# Altium PCB m-BLANC.PcbDoc (part 3 of 15) (continued)
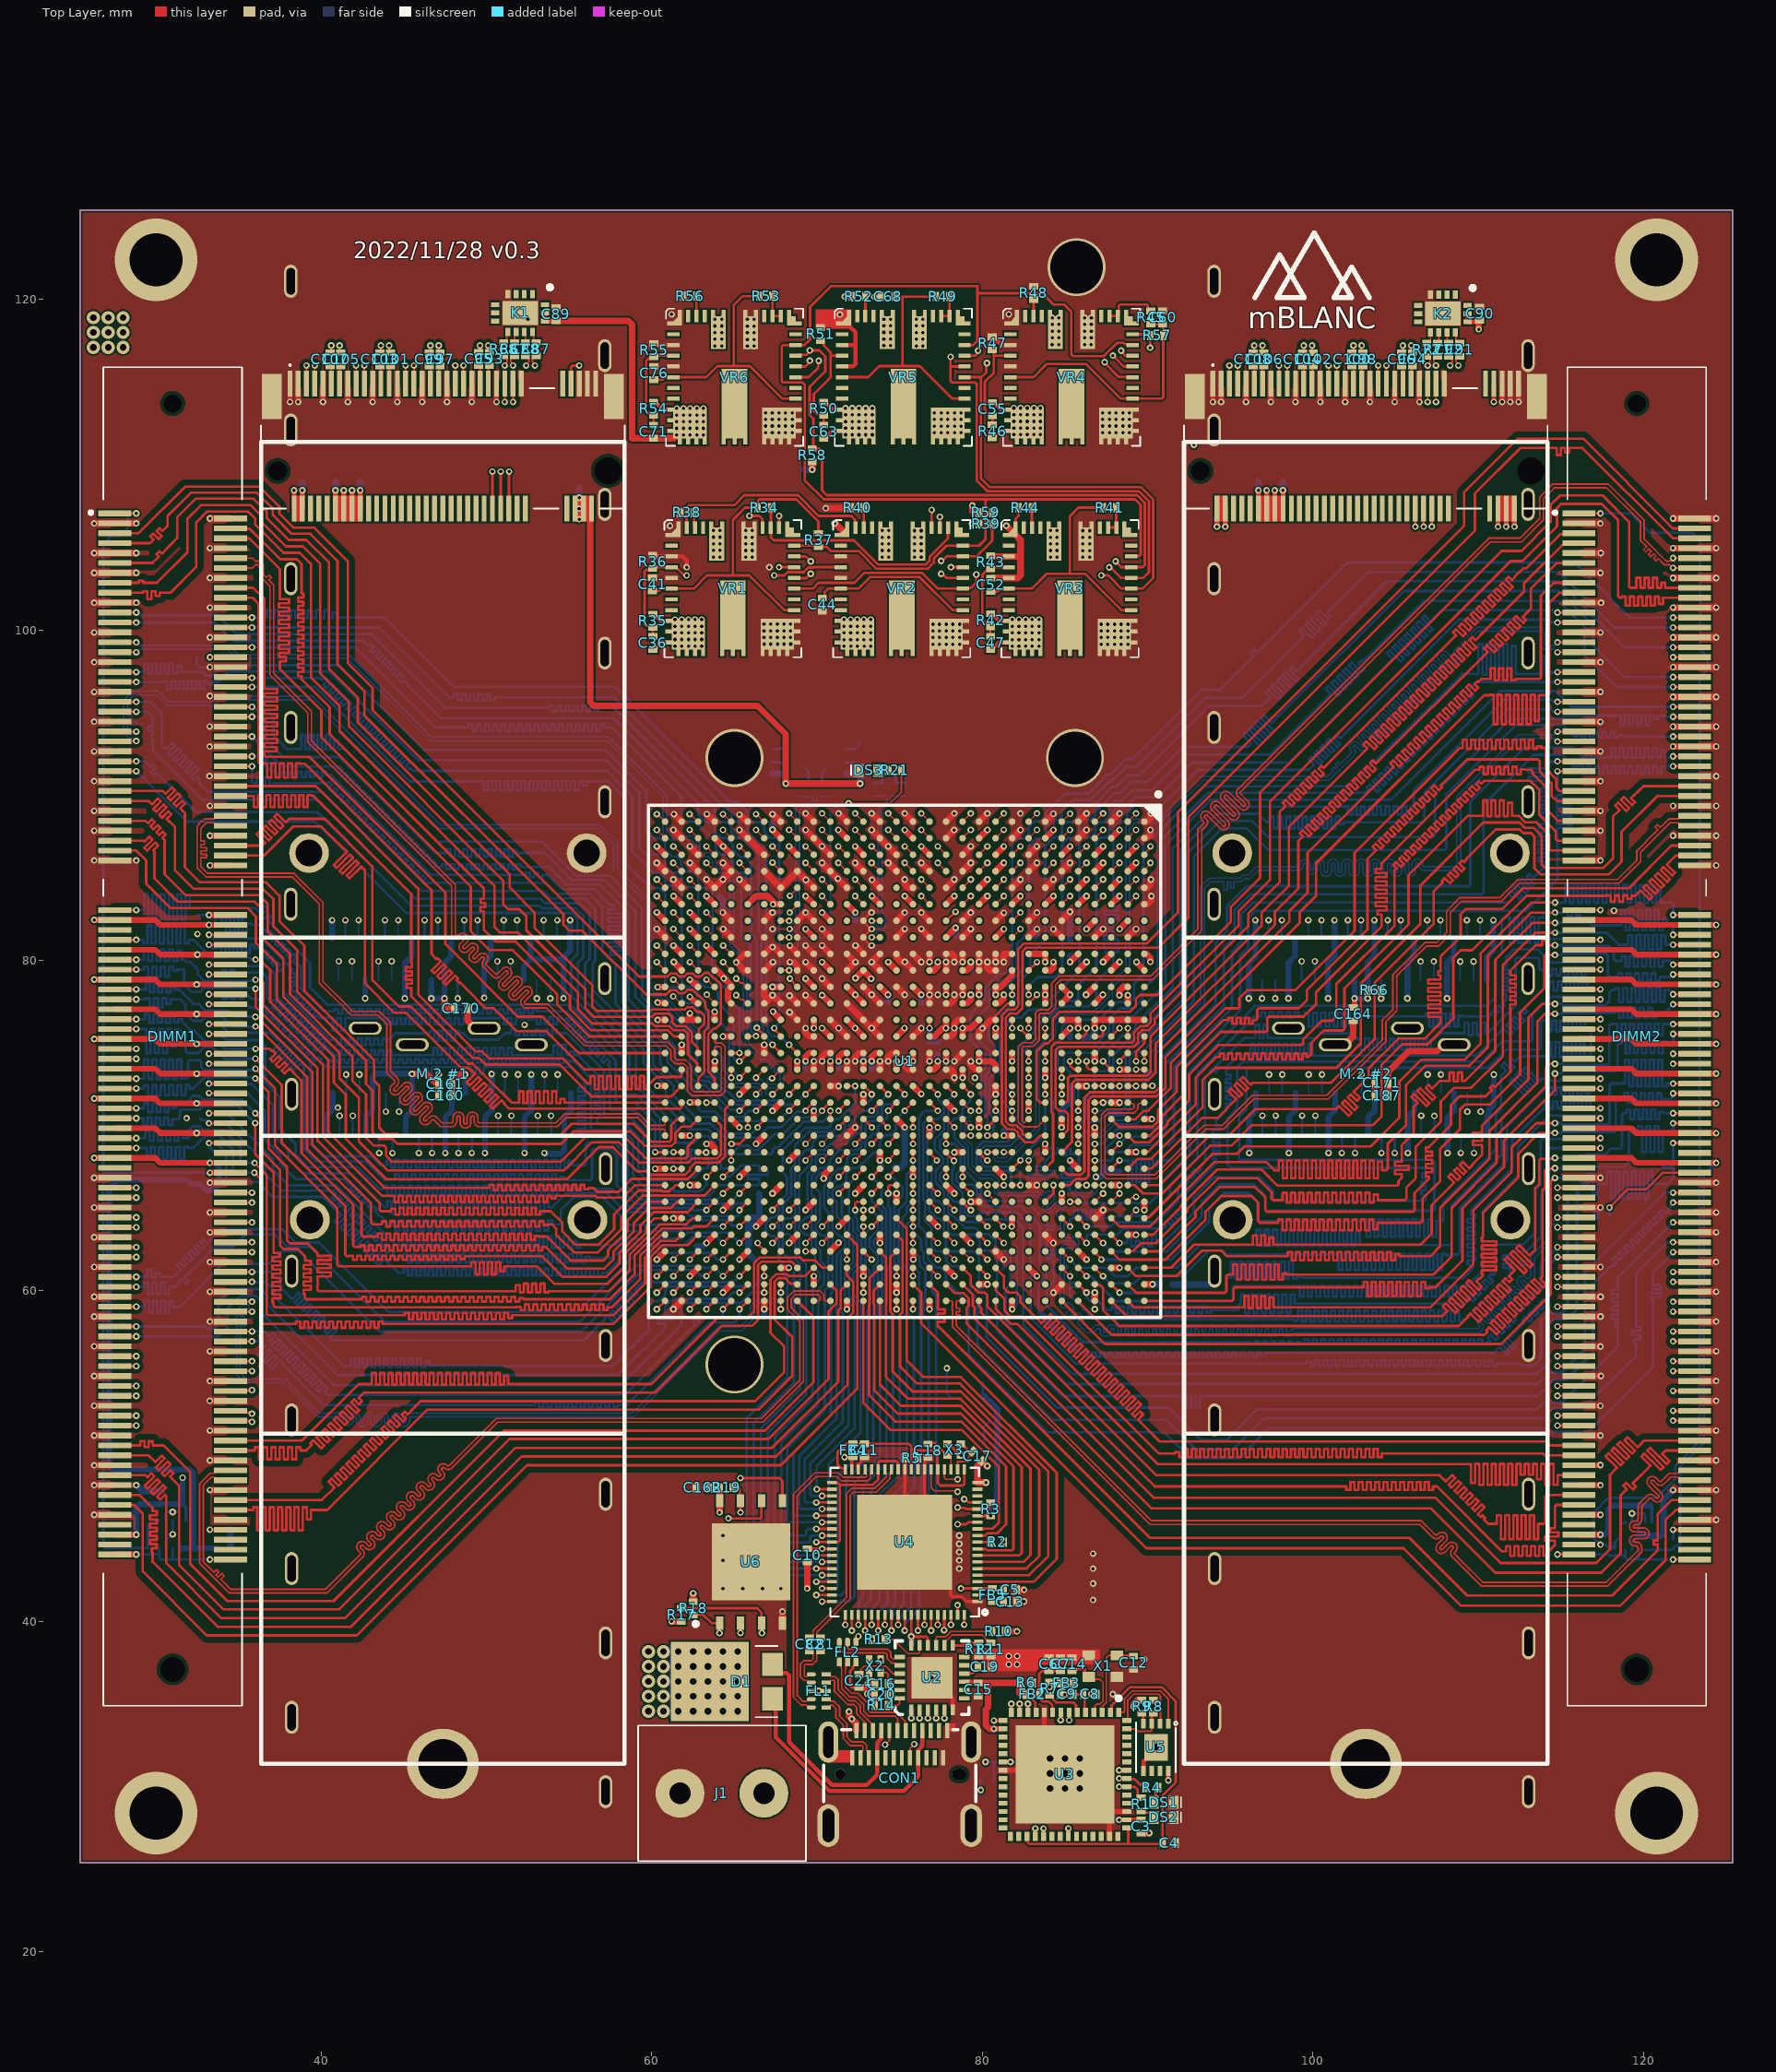
[diagram p0: Top Layer view]
## Nets (pads, with @x,y where several pads share a name; then routed paths per layer and width w, separated by ;. In a path a pad name is that pad's centre, name@x,y a point inside that pad or via, vN(x,y) a via of type N, cw(c..) or ccw(c..) an arc to the next point about the centre after c; other vN are vias at no path point) (continued)
  Bottom Layer w0.15: v1(28.8,76.45) 29.271,76.45 29.346,76.45 29.346,76.767 29.596,76.767 29.596,76.226 29.846,76.226 29.846,76.767 30.096,76.767 30.096,76.226 30.346,76.226 30.346,76.767 30.596,76.767 30.596,76.226 30.846,76.226 30.846,76.767 31.096,76.767 31.096,76.257 31.346,76.257 31.346,76.45 31.498,76.45 31.591,76.45 31.591,76.277 32.085,75.783 32.258,75.783 32.926,75.115 33.693,75.115 34.155,74.654 v1(36.017,74.654)
DRAM1_A4: DIMM1.92 U1.AF23 | length 65.6
  Top Layer w0.15: v1(33.2,77.35) DIMM1.92@34.5,77.35 ; v1(64.3,65.9) U1.AF23@64.8,66.4
  Bottom Layer w0.15: v1(33.2,77.35) 35.467,77.35 35.656,77.161 36.002,77.161 39.353,73.81 39.353,68.885 40.097,68.142 43.022,68.142 43.557,67.607 43.883,67.607 43.958,67.607 43.958,67.942 44.208,67.942 44.208,67.462 44.458,67.462 44.458,67.942 44.708,67.942 44.708,67.462 44.958,67.462 44.958,67.942 45.208,67.942 45.208,67.462 45.458,67.462 45.458,67.942 45.708,67.942 45.708,67.462 45.958,67.462 45.958,67.942 46.208,67.942 46.208,67.462 46.458,67.462 46.458,67.942 46.708,67.942 46.708,67.462 46.958,67.462 46.958,67.942 47.208,67.942 47.208,67.462 47.458,67.462 47.458,67.942 47.708,67.942 47.708,67.462 47.958,67.462 47.958,67.942 48.208,67.942 48.208,67.462 48.458,67.462 48.458,67.942 48.708,67.942 48.708,67.462 48.958,67.462 48.958,67.942 49.208,67.942 49.208,67.462 49.458,67.462 49.458,67.942 49.708,67.942 49.708,67.462 49.958,67.462 49.958,67.942 50.208,67.942 50.208,67.462 50.458,67.462 50.458,67.942 50.708,67.942 50.708,67.462 50.958,67.462 50.958,67.942 51.208,67.942 51.208,67.462 51.458,67.462 51.458,67.942 51.708,67.942 51.708,67.462 51.958,67.462 51.958,67.942 52.208,67.942 52.208,67.462 52.458,67.462 52.458,67.942 52.708,67.942 52.708,67.462 52.958,67.462 52.958,67.942 53.208,67.942 53.208,67.462 53.458,67.462 53.458,67.942 53.708,67.942 53.708,67.462 53.958,67.462 53.958,67.942 54.208,67.942 54.208,67.462 54.458,67.462 54.458,67.942 54.708,67.942 54.708,67.462 54.958,67.462 54.958,67.864 55.208,67.864 55.208,67.607 55.808,67.607 55.915,67.607 56.003,67.695 56.003,68.882 56.091,68.97 57.732,68.97 58.2,68.502 58.2,66.618 59.293,65.525 63.925,65.525 v1(64.3,65.9)
DRAM1_A5: DIMM1.91 U1.AK24 | length 64.4
  Top Layer w0.15: DIMM1.91@27.5,77.65 v1(28.8,77.65) ; v1(36.017,76.008) 36.08,76.008 39.133,72.955 39.133,68.582 42.423,65.292 42.423,63.379 42.511,63.292 43.338,63.292 43.413,63.292 43.413,63.48 43.663,63.48 43.663,63.08 43.913,63.08 43.913,63.48 44.163,63.48 44.163,63.08 44.413,63.08 44.413,63.48 44.663,63.48 44.663,63.08 44.913,63.08 44.913,63.48 45.163,63.48 45.163,63.08 45.413,63.08 45.413,63.48 45.663,63.48 45.663,63.08 45.913,63.08 45.913,63.48 46.163,63.48 46.163,63.08 46.413,63.08 46.413,63.48 46.663,63.48 46.663,63.08 46.913,63.08 46.913,63.48 47.163,63.48 47.163,63.08 47.413,63.08 47.413,63.48 47.663,63.48 47.663,63.08 47.913,63.08 47.913,63.48 48.163,63.48 48.163,63.08 48.413,63.08 48.413,63.48 48.663,63.48 48.663,63.08 48.913,63.08 48.913,63.48 49.163,63.48 49.163,63.08 49.413,63.08 49.413,63.48 49.663,63.48 49.663,63.08 49.913,63.08 49.913,63.48 50.163,63.48 50.163,63.08 50.413,63.08 50.413,63.48 50.663,63.48 50.663,63.08 50.913,63.08 50.913,63.48 51.163,63.48 51.163,63.08 51.413,63.08 51.413,63.48 51.663,63.48 51.663,63.08 51.913,63.08 51.913,63.48 52.163,63.48 52.163,63.08 52.413,63.08 52.413,63.48 52.663,63.48 52.663,63.08 52.913,63.08 52.913,63.327 53.163,63.327 53.163,63.292 53.58,63.292 53.63,63.292 55.081,61.84 57.062,61.84 57.356,62.135 57.356,62.475 58.547,63.666 58.547,64.285 59.662,65.4 U1.AK24@60.8,65.4
  Bottom Layer w0.15: v1(28.8,77.65) 29.3,77.65 29.375,77.65 29.375,77.717 29.625,77.717 29.625,77.144 29.875,77.144 29.875,77.717 30.125,77.717 30.125,77.144 30.375,77.144 30.375,77.717 30.625,77.717 30.625,77.362 30.875,77.362 30.875,77.65 31.308,77.65 31.461,77.65 31.774,77.338 31.774,76.792 32.216,76.349 32.757,76.349 33.008,76.6 34,76.6 34.592,76.008 v1(36.017,76.008)
DRAM1_A6: DIMM1.90 U1.AF22 | length 65.4
  Top Layer w0.15: v1(33.2,77.95) DIMM1.90@34.5,77.95 ; v1(64.3,66.9) U1.AF22@64.8,67.4
  Bottom Layer w0.15: v1(33.2,77.95) 33.7,77.95 33.775,77.95 33.775,78.01 34.025,78.01 34.025,77.69 34.275,77.69 34.275,78.01 34.525,78.01 34.525,77.69 34.775,77.69 34.775,78.01 35.025,78.01 35.025,77.69 35.275,77.69 35.275,77.95 35.49,77.95 35.575,77.865 35.761,77.679 36.148,77.679 36.169,77.658 36.222,77.605 36.349,77.733 36.526,77.556 36.243,77.273 36.42,77.096 36.601,77.277 36.777,77.1 36.597,76.92 36.774,76.743 36.929,76.898 37.106,76.721 36.95,76.566 37.127,76.389 37.282,76.545 37.459,76.368 37.304,76.213 37.481,76.036 37.636,76.191 37.813,76.014 37.657,75.859 37.834,75.682 37.989,75.837 38.166,75.661 38.011,75.505 38.188,75.329 38.343,75.484 38.52,75.307 38.365,75.152 38.541,74.975 38.696,75.13 38.873,74.954 38.718,74.798 38.895,74.622 39.05,74.777 39.227,74.6 39.072,74.445 39.248,74.268 39.404,74.423 39.58,74.246 39.425,74.091 39.602,73.914 39.857,74.17 40.034,73.993 39.934,73.893 40.28,73.546 40.539,73.546 45.604,73.546 45.929,73.546 45.929,73.132 46.179,73.132 46.179,73.546 46.429,73.546 46.429,73.132 46.679,73.132 46.679,73.546 46.9,73.546 48.763,73.546 49.088,73.546 49.088,73.124 49.338,73.124 49.338,73.546 49.588,73.546 49.588,73.124 49.838,73.124 49.838,73.546 50.1,73.546 55.034,73.546 55.9,72.68 55.9,72.625 55.9,72.55 55.97,72.55 55.97,72.3 55.542,72.3 55.542,72.05 55.97,72.05 55.97,71.8 55.542,71.8 55.542,71.55 55.97,71.55 55.97,71.3 55.542,71.3 55.542,71.05 55.97,71.05 55.97,70.8 55.542,70.8 55.542,70.55 55.97,70.55 55.97,70.3 55.542,70.3 55.542,70.05 55.97,70.05 55.97,69.8 55.542,69.8 55.542,69.55 55.9,69.55 55.9,69.445 55.988,69.357 58,69.357 58.527,68.83 58.527,66.835 59.587,65.775 63.475,65.775 63.763,66.063 63.763,66.315 63.851,66.403 66.412,66.403 66.5,66.491 66.5,66.704 66.5,66.779 65.777,66.779 65.777,67.029 67.027,67.029 67.027,67.279 66.5,67.279 66.5,67.497 66.5,67.512 66.412,67.6 65.4,67.6 64.725,66.925 64.325,66.925 v1(64.3,66.9)
DRAM1_A7: DIMM1.86 U1.AG22 | length 64.7
  Top Layer w0.15: v1(33.2,79.15) DIMM1.86@34.5,79.15 ; v1(63.3,66.9) U1.AG22@63.8,67.4
  Bottom Layer w0.15: v1(33.2,79.15) 33.413,79.15 33.738,79.15 33.738,79.098 33.988,79.098 33.988,79.421 34.238,79.421 34.238,79.098 34.488,79.098 34.488,79.421 34.738,79.421 34.738,79.098 34.988,79.098 34.988,79.15 35.184,79.15 35.25,79.15 35.359,79.259 36.433,79.259 36.7,78.992 36.7,77.75 36.925,77.525 36.978,77.472 37.127,77.621 37.304,77.444 37.02,77.16 37.197,76.984 37.48,77.267 37.657,77.091 37.374,76.807 37.55,76.63 37.834,76.914 38.011,76.737 37.727,76.453 37.904,76.276 38.188,76.56 38.364,76.383 38.081,76.1 38.257,75.923 38.541,76.207 38.718,76.03 38.434,75.746 38.611,75.569 38.895,75.853 39.071,75.676 38.788,75.393 38.965,75.216 39.248,75.5 39.425,75.323 39.141,75.039 39.318,74.862 39.602,75.146 39.779,74.969 39.495,74.685 39.672,74.509 39.955,74.792 40.132,74.616 39.983,74.467 40.175,74.275 40.555,73.895 40.591,73.895 40.666,73.895 40.666,74.014 40.916,74.014 40.916,73.796 41.166,73.796 41.166,74.014 41.416,74.014 41.416,73.796 41.666,73.796 41.666,74.014 41.916,74.014 41.916,73.796 42.166,73.796 42.166,74.014 42.416,74.014 42.416,73.796 42.666,73.796 42.666,74.014 42.916,74.014 42.916,73.796 43.166,73.796 43.166,74.014 43.416,74.014 43.416,73.796 43.666,73.796 43.666,74.014 43.916,74.014 43.916,73.796 44.166,73.796 44.166,74.014 44.416,74.014 44.416,73.796 44.666,73.796 44.666,74.014 44.916,74.014 44.916,73.796 45.166,73.796 45.166,74.014 45.416,74.014 45.416,73.796 45.666,73.796 45.666,74.014 45.916,74.014 45.916,73.796 46.166,73.796 46.166,74.014 46.416,74.014 46.416,73.796 46.666,73.796 46.666,74.014 46.916,74.014 46.916,73.796 47.166,73.796 47.166,74.014 47.416,74.014 47.416,73.796 47.666,73.796 47.666,74.014 47.916,74.014 47.916,73.796 48.166,73.796 48.166,74.014 48.416,74.014 48.416,73.796 48.666,73.796 48.666,74.014 48.916,74.014 48.916,73.796 49.166,73.796 49.166,74.014 49.416,74.014 49.416,73.796 49.666,73.796 49.666,74.014 49.916,74.014 49.916,73.796 50.166,73.796 50.166,74.014 50.416,74.014 50.416,73.796 50.666,73.796 50.666,74.014 50.916,74.014 50.916,73.796 51.166,73.796 51.166,74.014 51.416,74.014 51.416,73.796 51.666,73.796 51.666,74.014 51.916,74.014 51.916,73.796 52.166,73.796 52.166,74.014 52.416,74.014 52.416,73.796 52.666,73.796 52.666,74.014 52.916,74.014 52.916,73.796 53.166,73.796 53.166,74.014 53.416,74.014 53.416,73.796 53.666,73.796 53.666,74.014 53.916,74.014 53.916,73.796 54.166,73.796 54.166,74.014 54.416,74.014 54.416,73.796 54.666,73.796 54.666,74.014 54.916,74.014 54.916,73.895 55.2,73.895 55.285,73.895 56.3,72.88 56.3,69.815 56.388,69.727 58.209,69.727 58.854,69.082 58.854,66.983 59.813,66.025 60,66.025 60.075,66.025 60.075,66.45 60.325,66.45 60.325,66.025 60.575,66.025 60.575,66.45 60.825,66.45 60.825,66.025 61.075,66.025 61.075,66.188 61.325,66.188 61.325,66.025 61.7,66.025 62.925,66.025 63.3,66.4 v1(63.3,66.9)
DRAM1_A8: DIMM1.89 U1.AG23 | length 65.1
  Top Layer w0.15: DIMM1.89@27.5,78.25 v1(28.8,78.25) ; v1@35.999,76.542 36.123,76.542 36.188,76.477 36.195,76.477 39.458,73.213 39.458,68.854 43,65.312 43,64.12 43.088,64.033 43.6,64.033 43.675,64.033 43.675,64.213 43.925,64.213 43.925,63.895 44.175,63.895 44.175,64.213 44.425,64.213 44.425,63.895 44.675,63.895 44.675,64.213 44.925,64.213 44.925,63.895 45.175,63.895 45.175,64.213 45.425,64.213 45.425,63.895 45.675,63.895 45.675,64.213 45.925,64.213 45.925,63.895 46.175,63.895 46.175,64.213 46.425,64.213 46.425,63.895 46.675,63.895 46.675,64.213 46.925,64.213 46.925,63.895 47.175,63.895 47.175,64.213 47.425,64.213 47.425,63.895 47.675,63.895 47.675,64.213 47.925,64.213 47.925,63.895 48.175,63.895 48.175,64.213 48.425,64.213 48.425,63.895 48.675,63.895 48.675,64.213 48.925,64.213 48.925,63.895 49.175,63.895 49.175,64.213 49.425,64.213 49.425,63.895 49.675,63.895 49.675,64.213 49.925,64.213 49.925,63.895 50.175,63.895 50.175,64.213 50.425,64.213 50.425,63.895 50.675,63.895 50.675,64.213 50.925,64.213 50.925,63.895 51.175,63.895 51.175,64.213 51.425,64.213 51.425,63.895 51.675,63.895 51.675,64.213 51.925,64.213 51.925,63.895 52.175,63.895 52.175,64.213 52.425,64.213 52.425,63.895 52.675,63.895 52.675,64.213 52.925,64.213 52.925,63.895 53.175,63.895 53.175,64.213 53.425,64.213 53.425,63.968 53.675,63.968 53.675,64.033 53.88,64.033 53.939,64.033 54.208,63.763 54.208,63.408 55.282,62.334 56.75,62.334 58.159,63.743 58.159,64.478 59.455,65.775 63.175,65.775 U1.AG23@63.8,66.4
  Bottom Layer w0.15: v1(28.8,78.25) 29.3,78.25 29.375,78.25 29.375,78.618 29.625,78.618 29.625,78.066 29.875,78.066 29.875,78.618 30.125,78.618 30.125,78.066 30.375,78.066 30.375,78.618 30.625,78.618 30.625,78.066 30.875,78.066 30.875,78.618 31.125,78.618 31.125,78.25 31.39,78.25 31.427,78.213 32.268,77.372 32.579,77.372 32.977,76.975 34.325,76.975 34.7,76.6 35.997,76.6 v1(36.007,76.59)
DRAM1_A9: DIMM1.85 U1.AJ23 | length 67.1
  Top Layer w0.15: DIMM1.85@27.5,79.45 v1(28.8,79.45) ; v1(36.017,78.29) 36.017,77.212 39.766,73.463 39.766,69.087 43.522,65.331 43.522,64.917 43.61,64.829 43.8,64.829 44.221,64.829 44.221,64.984 44.471,64.984 44.471,64.613 44.721,64.613 44.721,65.038 44.971,65.038 44.971,64.613 45.221,64.613 45.221,65.038 45.471,65.038 45.471,64.613 45.721,64.613 45.721,65.038 45.971,65.038 45.971,64.613 46.221,64.613 46.221,65.038 46.471,65.038 46.471,64.613 46.721,64.613 46.721,65.038 46.971,65.038 46.971,64.613 47.221,64.613 47.221,65.038 47.471,65.038 47.471,64.613 47.721,64.613 47.721,65.038 47.971,65.038 47.971,64.613 48.221,64.613 48.221,65.038 48.471,65.038 48.471,64.613 48.721,64.613 48.721,65.038 48.971,65.038 48.971,64.613 49.221,64.613 49.221,65.038 49.471,65.038 49.471,64.613 49.721,64.613 49.721,65.038 49.971,65.038 49.971,64.613 50.221,64.613 50.221,65.038 50.471,65.038 50.471,64.613 50.721,64.613 50.721,65.038 50.971,65.038 50.971,64.613 51.221,64.613 51.221,65.038 51.471,65.038 51.471,64.613 51.721,64.613 51.721,65.038 51.971,65.038 51.971,64.613 52.221,64.613 52.221,65.038 52.471,65.038 52.471,64.613 52.721,64.613 52.721,65.038 52.971,65.038 52.971,64.613 53.221,64.613 53.221,64.829 53.296,64.829 53.871,64.829 54.58,64.12 54.58,63.6 55.38,62.8 56.774,62.8 57.718,63.744 57.718,64.62 59.182,66.085 60.585,66.085 60.645,66.025 61.045,66.025 61.419,66.399 U1.AJ23@61.8,66.4
  Bottom Layer w0.15: v1(28.8,79.45) 29.2,79.45 29.275,79.45 29.275,79.633 29.525,79.633 29.525,79.021 29.775,79.021 29.775,79.633 30.025,79.633 30.025,79.021 30.275,79.021 30.275,79.633 30.525,79.633 30.525,79.021 30.775,79.021 30.775,79.633 31.025,79.633 31.025,79.382 31.275,79.382 31.275,79.45 31.496,79.45 31.669,79.45 31.7,79.419 31.7,78.529 32.129,78.1 32.673,78.1 32.915,78.342 35.84,78.342 35.845,78.338 35.988,78.338 v1@36.036,78.29
DRAM1_A10: DIMM1.107 U1.AK25 | length 63.8
  Top Layer w0.15: DIMM1.107@27.5,72.85 v1(28.8,72.85) ; v1(36.015,73.445) 37.2,72.26 37.2,68.792 40.959,65.033 40.959,61.588 41.047,61.5 49,61.5 49.075,61.5 49.075,61.741 49.325,61.741 49.325,61.006 49.575,61.006 49.575,61.741 49.825,61.741 49.825,61.006 50.075,61.006 50.075,61.741 50.325,61.741 50.325,61.006 50.575,61.006 50.575,61.741 50.825,61.741 50.825,61.183 51.075,61.183 51.075,61.5 52.567,61.5 53.034,61.5 54.1,60.434 57.322,60.434 58.351,61.463 58.351,62.249 59.656,63.554 59.656,63.884 60.172,64.4 U1.AK25@60.8,64.4
  Bottom Layer w0.15: v1(28.8,72.85) 29.191,72.85 29.266,72.85 29.266,74.02 29.516,74.02 29.516,72.835 29.766,72.835 29.766,74.02 30.016,74.02 30.016,72.835 30.266,72.835 30.266,74.02 30.516,74.02 30.516,72.835 30.766,72.835 30.766,74.02 31.016,74.02 31.016,72.835 31.266,72.835 31.266,74.002 31.516,74.002 31.516,72.85 31.783,72.85 31.843,72.85 31.931,72.938 31.931,73.873 32.019,73.961 32.634,73.961 32.722,73.873 32.722,73.563 32.919,73.366 35.802,73.366 35.833,73.397 35.967,73.397 v1(36.015,73.445)
DRAM1_A11: DIMM1.84 U1.AF21 | length 67.1
  Top Layer w0.15: v1(33.2,79.75) DIMM1.84@34.5,79.75 ; v1(64.8,67.9) U1.AF21@64.8,68.4
  Bottom Layer w0.15: v1(33.2,79.75) 35.308,79.75 35.407,79.651 36.718,79.651 37.195,79.174 37.195,77.906 37.758,77.344 37.811,77.291 37.968,77.448 38.145,77.271 37.988,77.114 38.164,76.937 38.322,77.094 38.498,76.917 38.341,76.76 38.518,76.583 38.675,76.741 38.852,76.564 38.695,76.407 38.871,76.23 39.029,76.387 39.205,76.21 39.048,76.053 39.225,75.876 39.382,76.034 39.559,75.857 39.402,75.7 39.579,75.523 39.736,75.68 39.913,75.503 39.755,75.346 39.932,75.169 40.089,75.326 40.266,75.15 40.109,74.992 40.286,74.816 40.401,74.701 40.837,74.264 40.915,74.264 40.99,74.264 40.99,74.562 41.24,74.562 41.24,74.264 41.49,74.264 41.49,74.562 41.74,74.562 41.74,74.264 41.99,74.264 41.99,74.562 42.24,74.562 42.24,74.264 42.49,74.264 42.49,74.562 42.74,74.562 42.74,74.264 42.99,74.264 42.99,74.562 43.24,74.562 43.24,74.264 43.49,74.264 43.49,74.562 43.74,74.562 43.74,74.264 43.99,74.264 43.99,74.562 44.24,74.562 44.24,74.264 44.404,74.264 46.701,74.264 46.776,74.264 46.776,74.718 47.026,74.718 47.026,74.264 47.276,74.264 47.276,74.718 47.526,74.718 47.526,74.264 47.776,74.264 47.776,74.718 48.026,74.718 48.026,74.264 48.276,74.264 48.276,74.718 48.526,74.718 48.526,74.264 48.776,74.264 48.776,74.718 49.026,74.718 49.026,74.264 49.276,74.264 49.276,74.718 49.526,74.718 49.526,74.264 49.776,74.264 49.776,74.718 50.026,74.718 50.026,74.264 50.276,74.264 50.276,74.718 50.526,74.718 50.526,74.264 50.776,74.264 50.776,74.718 51.026,74.718 51.026,74.264 51.276,74.264 51.276,74.718 51.526,74.718 51.526,74.264 51.7,74.264 53.967,74.264 54.042,74.264 54.042,74.876 54.292,74.876 54.292,74.264 54.542,74.264 54.542,74.876 54.792,74.876 54.792,74.264 55.042,74.264 55.042,74.5 55.292,74.5 55.292,74.264 55.45,74.264 55.529,74.264 56.7,73.093 56.7,72.8 56.7,72.725 56.85,72.725 56.85,72.475 56.55,72.475 56.55,72.225 56.85,72.225 56.85,71.975 56.55,71.975 56.55,71.725 56.85,71.725 56.85,71.475 56.55,71.475 56.55,71.225 56.85,71.225 56.85,70.975 56.55,70.975 56.55,70.725 56.85,70.725 56.85,70.475 56.7,70.475 56.7,70.188 56.788,70.1 58.4,70.1 59.182,69.318 59.182,67.218 59.7,66.7 62.054,66.7 62.265,66.912 62.583,66.912 63.112,67.441 63.346,67.441 63.421,67.441 63.421,67.864 63.671,67.864 63.671,67.387 63.921,67.387 63.921,67.864 64.171,67.864 64.171,67.387 64.421,67.387 64.421,67.441 64.5,67.441 64.712,67.441 64.8,67.529 v1(64.8,67.9)
DRAM1_A12: DIMM1.83 U1.AK23 | length 64.4
  Top Layer w0.15: DIMM1.83@27.5,80.05 v1(28.8,80.05) ; v1(36.017,78.831) 36.027,78.822 36.308,78.822 36.483,78.647 36.483,77.303 40.094,73.693 40.094,69.354 43.692,65.756 44.1,65.756 44.175,65.756 44.175,65.757 44.425,65.757 44.425,65.379 44.675,65.379 44.675,65.757 44.925,65.757 44.925,65.379 45.175,65.379 45.175,65.757 45.425,65.757 45.425,65.379 45.675,65.379 45.675,65.757 45.925,65.757 45.925,65.379 46.175,65.379 46.175,65.757 46.425,65.757 46.425,65.379 46.675,65.379 46.675,65.757 46.925,65.757 46.925,65.379 47.175,65.379 47.175,65.757 47.425,65.757 47.425,65.379 47.675,65.379 47.675,65.757 47.925,65.757 47.925,65.379 48.175,65.379 48.175,65.757 48.425,65.757 48.425,65.379 48.675,65.379 48.675,65.757 48.925,65.757 48.925,65.379 49.175,65.379 49.175,65.757 49.425,65.757 49.425,65.379 49.675,65.379 49.675,65.757 49.925,65.757 49.925,65.379 50.175,65.379 50.175,65.757 50.425,65.757 50.425,65.379 50.675,65.379 50.675,65.757 50.925,65.757 50.925,65.379 51.175,65.379 51.175,65.757 51.425,65.757 51.425,65.379 51.675,65.379 51.675,65.757 51.925,65.757 51.925,65.379 52.175,65.379 52.175,65.757 52.425,65.757 52.425,65.379 52.675,65.379 52.675,65.757 52.925,65.757 52.925,65.379 53.175,65.379 53.175,65.757 53.425,65.757 53.425,65.379 53.675,65.379 53.675,65.757 53.925,65.757 53.925,65.6 54.175,65.6 54.175,65.756 54.801,65.756 56.589,65.756 56.695,65.65 58.22,65.65 58.97,66.4 U1.AK23@60.8,66.4
  Bottom Layer w0.15: v1(28.8,80.05) 29.2,80.05 29.275,80.05 29.275,80.664 29.525,80.664 29.525,79.98 29.775,79.98 29.775,80.664 30.025,80.664 30.025,79.98 30.275,79.98 30.275,80.664 30.525,80.664 30.525,79.98 30.775,79.98 30.775,80.664 31.025,80.664 31.025,79.98 31.275,79.98 31.275,80.59 31.525,80.59 31.525,80.05 31.672,80.05 31.822,79.9 32.078,79.9 32.511,79.467 32.511,79.153 32.909,78.755 35.799,78.755 35.827,78.783 35.964,78.783 v1@36.012,78.831
DRAM1_A13: DIMM1.119 U1.AJ26 | length 63.6
  Top Layer w0.15: DIMM1.119@27.5,69.25 v1(28.8,69.25) ; v1(35.957,67.75) 36.7,67.007 36.7,58.614 36.788,58.526 44.977,58.526 45.052,58.526 45.052,58.67 45.302,58.67 45.302,58.278 45.552,58.278 45.552,58.67 45.802,58.67 45.802,58.278 46.052,58.278 46.052,58.67 46.302,58.67 46.302,58.278 46.552,58.278 46.552,58.67 46.802,58.67 46.802,58.278 47.052,58.278 47.052,58.67 47.302,58.67 47.302,58.278 47.552,58.278 47.552,58.67 47.802,58.67 47.802,58.278 48.052,58.278 48.052,58.67 48.302,58.67 48.302,58.278 48.552,58.278 48.552,58.67 48.802,58.67 48.802,58.278 49.052,58.278 49.052,58.67 49.302,58.67 49.302,58.278 49.552,58.278 49.552,58.67 49.802,58.67 49.802,58.278 50.052,58.278 50.052,58.67 50.302,58.67 50.302,58.278 50.552,58.278 50.552,58.67 50.802,58.67 50.802,58.278 51.052,58.278 51.052,58.67 51.302,58.67 51.302,58.35 51.552,58.35 51.552,58.526 52.417,58.526 57.658,58.526 59.581,60.449 59.581,62.065 60.541,63.025 61.425,63.025 U1.AJ26@61.8,63.4
  Bottom Layer w0.15: v1(28.8,69.25) 29.285,69.25 29.36,69.25 29.36,69.69 29.61,69.69 29.61,69.08 29.86,69.08 29.86,69.69 30.11,69.69 30.11,69.08 30.36,69.08 30.36,69.69 30.61,69.69 30.61,69.08 30.86,69.08 30.86,69.69 31.11,69.69 31.11,69.08 31.36,69.08 31.36,69.621 31.61,69.621 31.61,69.25 31.914,69.25 31.967,69.303 32.002,69.338 32.002,69.744 32.221,69.963 32.646,69.963 32.897,69.711 34.096,69.711 35.103,68.705 35.103,67.838 35.191,67.75 v1(35.957,67.75)
DRAM1_A14: DIMM1.80 U1.AH21 | length 64.7
  Top Layer w0.15: v1(33.2,80.95) DIMM1.80@34.5,80.95 ; U1.AH21@62.8,68.4 62.808,68.392 63.277,68.392 v1(63.285,68.385)
  Bottom Layer w0.15: v1(33.2,80.95) 33.214,80.95 33.413,80.751 33.6,80.751 33.675,80.751 33.675,80.953 33.925,80.953 33.925,80.427 34.175,80.427 34.175,80.953 34.425,80.953 34.425,80.427 34.675,80.427 34.675,80.953 34.925,80.953 34.925,80.427 35.175,80.427 35.175,80.953 35.425,80.953 35.425,80.427 35.675,80.427 35.675,80.953 35.925,80.953 35.925,80.751 36.049,80.751 36.288,80.751 36.47,80.57 36.523,80.517 36.625,80.619 36.802,80.442 36.591,80.232 36.768,80.055 36.979,80.266 37.156,80.089 36.945,79.878 37.122,79.701 37.332,79.912 37.509,79.735 37.298,79.525 37.475,79.348 37.583,79.456 37.652,79.387 37.7,79.34 37.7,78.069 40.569,75.2 40.617,75.2 40.692,75.2 40.692,75.26 40.942,75.26 40.942,74.891 41.192,74.891 41.192,75.26 41.442,75.26 41.442,74.891 41.692,74.891 41.692,75.26 41.942,75.26 41.942,74.891 42.192,74.891 42.192,75.26 42.442,75.26 42.442,74.891 42.692,74.891 42.692,75.26 42.942,75.26 42.942,74.891 43.192,74.891 43.192,75.26 43.442,75.26 43.442,74.891 43.692,74.891 43.692,75.26 43.942,75.26 43.942,75.2 44.098,75.2 44.1,75.2 44.5,75.6 46.513,75.6 46.588,75.6 46.588,75.753 46.838,75.753 46.838,75.14 47.088,75.14 47.088,75.753 47.338,75.753 47.338,75.14 47.588,75.14 47.588,75.753 47.838,75.753 47.838,75.14 48.088,75.14 48.088,75.753 48.338,75.753 48.338,75.6 48.495,75.6 48.6,75.6 49,75.2 50.7,75.2 51.1,75.6 51.4,75.6 51.475,75.6 51.475,75.82 51.725,75.82 51.725,75.477 51.975,75.477 51.975,75.725 52.225,75.725 52.225,75.477 52.475,75.477 52.475,75.745 52.725,75.745 52.725,75.477 52.975,75.477 52.975,75.82 53.225,75.82 53.225,75.477 53.475,75.477 53.475,75.82 53.725,75.82 53.725,75.477 53.975,75.477 53.975,75.818 54.225,75.818 54.225,75.6 54.793,75.6 54.839,75.6 57.1,73.339 57.1,70.588 57.188,70.5 58.7,70.5 59.493,69.707 59.493,67.44 59.932,67 61.104,67 61.129,67.025 61.673,67.025 61.761,67.113 61.761,68.297 61.789,68.326 61.849,68.385 61.864,68.385 61.864,68.516 62.114,68.516 62.114,67.782 62.364,67.782 62.364,68.516 62.614,68.516 62.614,67.782 62.864,67.782 62.864,68.385 63.202,68.385 v1(63.285,68.385)
DRAM1_A15: DIMM1.78 U1.AJ22 | length 63.9
  Top Layer w0.15: v1(33.2,81.55) DIMM1.78@34.5,81.55 ; v1(61.3,67.4) U1.AJ22@61.8,67.4
  Bottom Layer w0.15: v1(33.2,81.55) 33.268,81.55 33.493,81.325 36.386,81.325 38.227,79.484 38.227,79.3 38.227,79.225 38.435,79.225 38.435,78.975 38.066,78.975 38.066,78.725 38.435,78.725 38.435,78.475 38.227,78.475 38.227,78.179 38.24,78.167 38.278,78.129 38.331,78.076 38.43,78.175 38.606,77.998 38.424,77.815 38.6,77.638 38.788,77.827 38.965,77.65 38.777,77.462 38.954,77.285 39.142,77.473 39.319,77.296 39.131,77.108 39.307,76.931 39.495,77.119 39.672,76.943 39.484,76.755 39.661,76.578 39.745,76.662 39.804,76.603 39.886,76.521 40.367,76.521 40.442,76.521 40.442,76.532 40.692,76.532 40.692,75.76 40.942,75.76 40.942,76.531 41.192,76.531 41.192,75.76 41.442,75.76 41.442,76.521 41.705,76.521 43.501,76.521 43.577,76.521 43.577,76.531 43.827,76.531 43.827,76.138 44.077,76.138 44.077,76.531 44.327,76.531 44.327,76.138 44.577,76.138 44.577,76.531 44.827,76.531 44.827,76.138 45.077,76.138 45.077,76.531 45.327,76.531 45.327,76.138 45.577,76.138 45.577,76.531 45.826,76.531 45.826,76.138 46.076,76.138 46.076,76.531 46.326,76.531 46.326,76.138 46.576,76.138 46.576,76.531 46.826,76.531 46.826,76.138 47.076,76.138 47.076,76.531 47.326,76.531 47.326,76.138 47.576,76.138 47.576,76.531 47.826,76.531 47.826,76.138 48.076,76.138 48.076,76.531 48.326,76.531 48.326,76.138 48.576,76.138 48.576,76.521 48.807,76.521 50.69,76.521 50.765,76.521 50.765,76.531 51.015,76.531 51.015,76.153 51.265,76.153 51.265,76.531 51.515,76.531 51.515,76.153 51.765,76.153 51.765,76.531 52.015,76.531 52.015,76.475 52.265,76.475 52.265,76.531 52.515,76.531 52.515,76.416 52.765,76.416 52.765,76.531 53.015,76.531 53.015,76.153 53.265,76.153 53.265,76.57 53.515,76.57 53.515,76.153 53.765,76.153 53.765,76.57 54.015,76.57 54.015,76.153 54.265,76.153 54.265,76.521 54.496,76.521 54.553,76.521 54.647,76.427 54.7,76.374 54.836,76.51 55.013,76.334 54.786,76.107 54.963,75.93 55.19,76.157 55.366,75.98 55.14,75.754 55.317,75.577 55.543,75.803 55.72,75.627 55.493,75.4 55.67,75.223 55.897,75.45 56.073,75.273 55.847,75.046 56.024,74.87 56.25,75.096 56.427,74.919 56.2,74.693 56.377,74.516 56.604,74.743 56.781,74.566 56.554,74.339 56.731,74.163 56.957,74.389 57.134,74.212 56.908,73.986 57.084,73.809 57.311,74.036 57.488,73.859 57.352,73.723 57.453,73.622 57.453,73.614 57.453,71.05 57.54,70.962 58.838,70.962 58.882,70.918 59.032,70.768 59.056,70.791 59.232,70.614 59.135,70.517 59.312,70.34 59.439,70.467 59.616,70.291 59.489,70.163 59.666,69.987 59.74,70.06 59.793,70.007 59.798,70.002 59.798,67.988 59.886,67.9 60.457,67.9 60.532,67.9 60.532,68.119 60.782,68.119 60.782,67.9 61,67.9 61.212,67.9 61.3,67.812 v1(61.3,67.4)
DRAM1_BA0: DIMM1.109 U1.AH25 | length 64.6
  Top Layer w0.15: DIMM1.109@27.5,72.25 v1(28.8,72.25) ; v1(36.006,72.853) 36.8,72.058 36.8,68.633 37.916,67.517 37.916,63.075 38.114,62.878 39.169,62.878 39.761,62.285 39.761,62.198 39.761,62.123 40.57,62.123 40.57,61.873 39.759,61.873 39.759,61.623 40.57,61.623 40.57,61.373 39.759,61.373 39.759,61.123 40.57,61.123 40.57,60.873 39.759,60.873 39.759,60.623 39.781,60.623 39.781,60.373 39.761,60.373 39.761,60.202 39.761,60.068 39.849,59.98 51.418,59.98 51.752,59.98 51.752,60.339 52.002,60.339 52.002,59.916 52.252,59.916 52.252,60.443 52.502,60.443 52.502,59.916 52.752,59.916 52.752,60.443 53.002,60.443 53.002,59.916 53.252,59.916 53.252,60.443 53.502,60.443 53.502,59.916 53.752,59.916 53.752,59.98 53.827,59.98 57.387,59.98 58.654,61.247 58.654,62.198 60.48,64.025 62.073,64.025 62.448,64.4 U1.AH25@62.8,64.4
  Bottom Layer w0.15: v1(28.8,72.25) 29.198,72.25 29.273,72.25 29.273,72.445 29.523,72.445 29.523,71.84 29.773,71.84 29.773,72.445 30.023,72.445 30.023,71.84 30.273,71.84 30.273,72.445 30.523,72.445 30.523,71.84 30.773,71.84 30.773,72.445 31.023,72.445 31.023,71.84 31.273,71.84 31.273,72.445 31.523,72.445 31.523,71.84 31.773,71.84 31.773,72.445 32.023,72.445 32.023,72.25 32.2,72.25 32.25,72.25 32.925,72.925 35.793,72.925 35.817,72.901 35.958,72.901 v1(36.006,72.853)
DRAM1_BA1: DIMM1.108 U1.AE24 | length 69.1
  Top Layer w0.15: v1(33.2,72.55) DIMM1.108@34.5,72.55 ; v1(65.3,64.9) U1.AE24@65.8,65.4
  Bottom Layer w0.15: v1(33.2,72.55) 33.226,72.524 35.776,72.524 37.057,71.243 37.057,69.48 38,68.537 38,68 38.886,67.114 41.786,67.114 43.831,65.069 43.91,65.069 43.985,65.069 43.985,65.425 44.235,65.425 44.235,64.674 44.485,64.674 44.485,65.425 44.735,65.425 44.735,64.674 44.985,64.674 44.985,65.425 45.235,65.425 45.235,64.674 45.485,64.674 45.485,65.425 45.735,65.425 45.735,64.674 45.985,64.674 45.985,65.425 46.235,65.425 46.235,64.674 46.485,64.674 46.485,65.425 46.735,65.425 46.735,64.674 46.985,64.674 46.985,65.425 47.235,65.425 47.235,64.674 47.485,64.674 47.485,65.425 47.735,65.425 47.735,64.674 47.985,64.674 47.985,65.425 48.235,65.425 48.235,64.674 48.485,64.674 48.485,65.425 48.735,65.425 48.735,64.674 48.985,64.674 48.985,65.425 49.235,65.425 49.235,64.674 49.485,64.674 49.485,65.425 49.735,65.425 49.735,64.674 49.985,64.674 49.985,65.425 50.235,65.425 50.235,64.674 50.485,64.674 50.485,65.425 50.735,65.425 50.735,64.674 50.985,64.674 50.985,65.425 51.235,65.425 51.235,64.674 51.485,64.674 51.485,65.425 51.735,65.425 51.735,64.674 51.985,64.674 51.985,65.425 52.235,65.425 52.235,64.674 52.485,64.674 52.485,65.425 52.735,65.425 52.735,64.674 52.985,64.674 52.985,65.425 53.235,65.425 53.235,64.674 53.485,64.674 53.485,65.425 53.735,65.425 53.735,65.069 53.985,65.069 53.985,65.085 54.198,65.298 54.836,65.936 57.256,65.936 58.417,64.775 62.059,64.775 62.309,64.525 65.198,64.525 65.286,64.613 65.286,64.886 v1(65.3,64.9)